# Altium PCB LimeSDR-Micro_M.2_2280_1v1.PcbDoc (part 5 of 9)
Units mm, origin at the board's own origin, x right, y up, seen from the top; angles counter-clockwise.
Board outline 80 x 22 mm, 8 copper layers (Top, L2, L3, L4, L5, L6, L7, Bottom), stack 0.775 mm thick; 678 components, 389 nets, 2376 pads, 871 vias.
Unrouted connection lines stored in the file: 254.
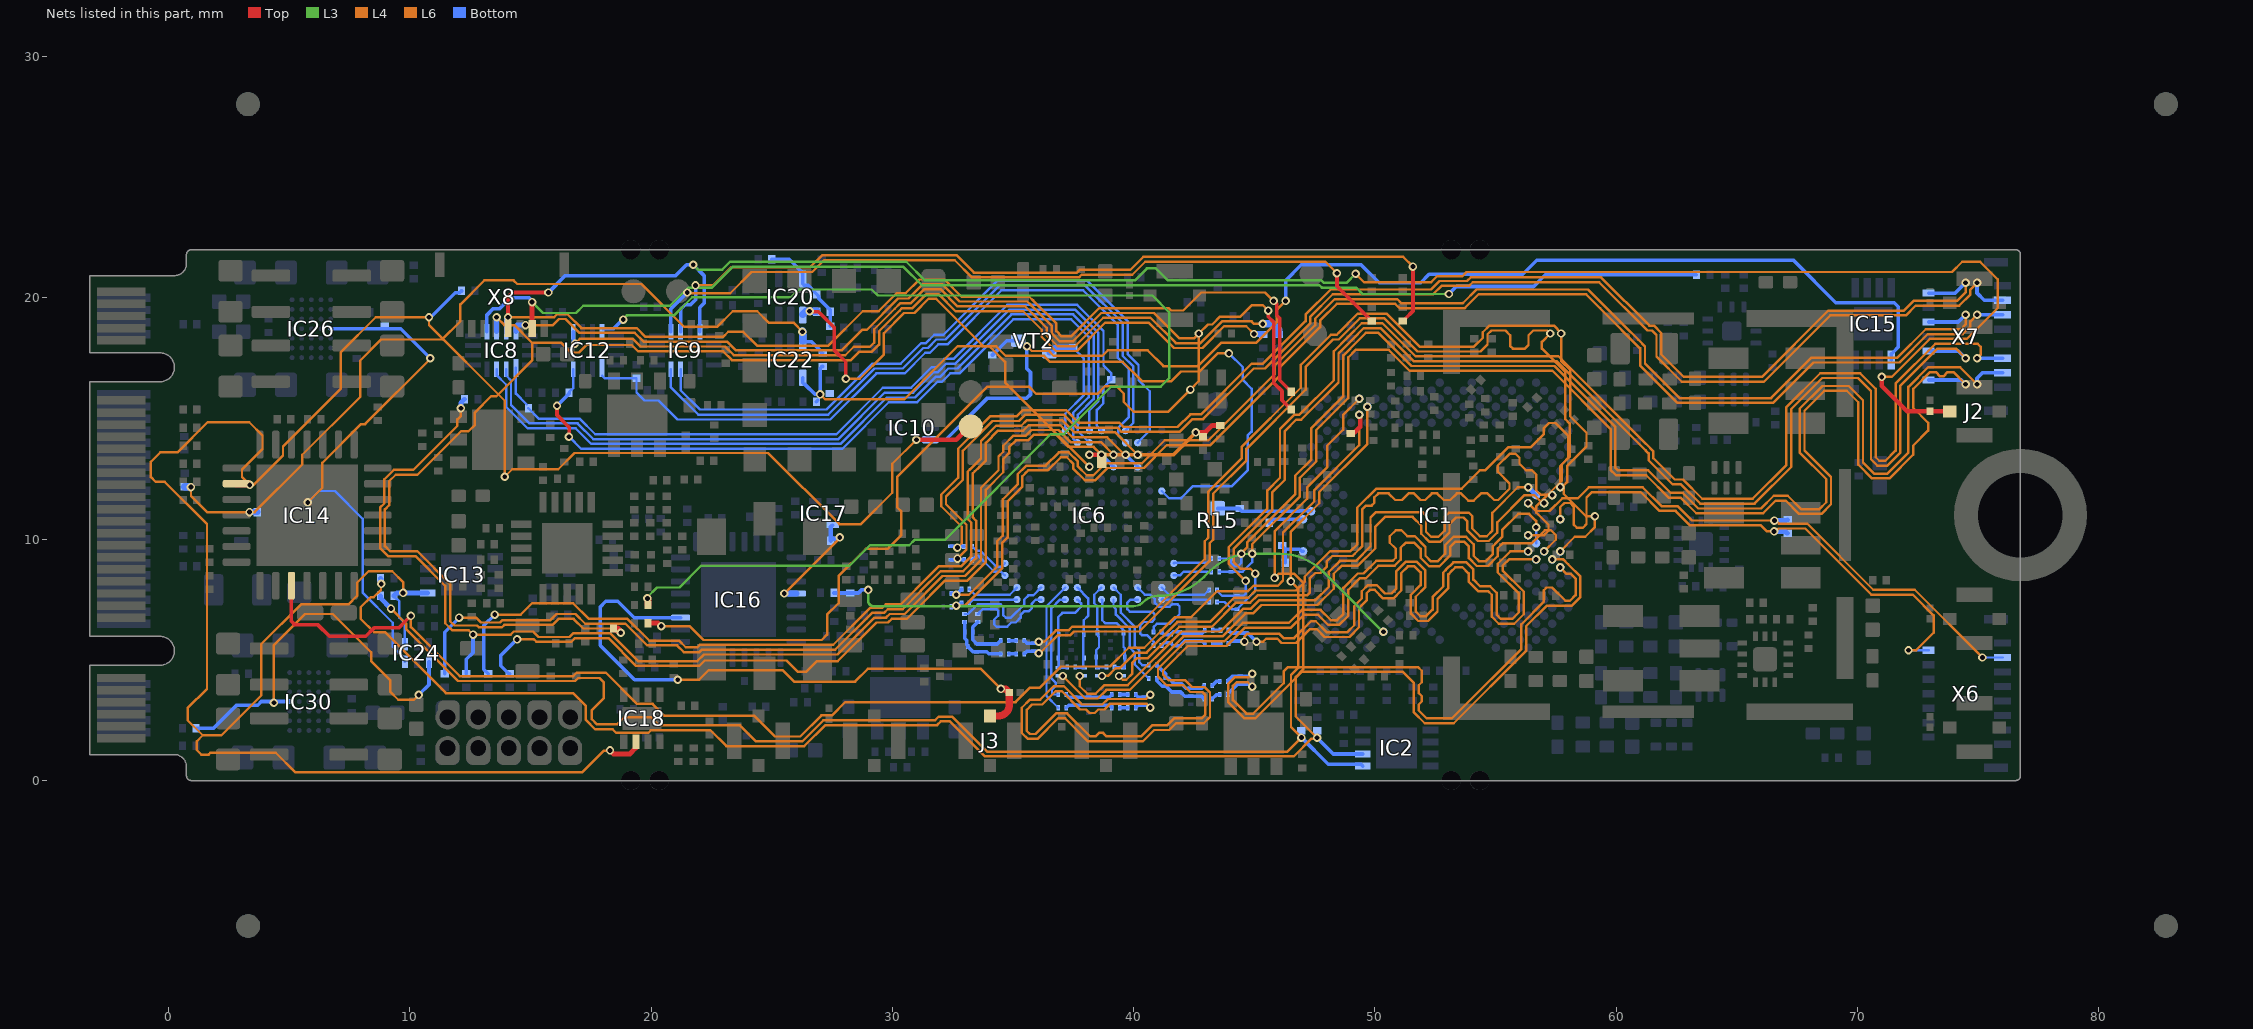
[diagram p11: the nets of this part, all layers, seen from the top]

## Via types
v1: diameter 0.35, hole 0.2, Top to Bottom, tented both sides, 717 vias
v2: diameter 0.35, hole 0.2, L5 to Bottom, tented both sides, 112 vias
v3: diameter 0.4, hole 0.2, Top to Bottom, tented both sides, 30 vias
v4: diameter 0.5, hole 0.2, Top to Bottom, tented both sides, 12 vias

## Nets (pads, with @x,y where several pads share a name; then routed paths per layer and width w, separated by ;. In a path a pad name is that pad's centre, name@x,y a point inside that pad or via, vN(x,y) a via of type N, cw(c..) or ccw(c..) an arc to the next point about the centre after c; other vN are vias at no path point) (continued)
LA_I2C_SDA: IC10.6 IC13.5 IC14.9 IC15.5 IC18.6 IC24.4 R30.1 R120.2 R226.2 TP5.1 VT2.D | length 155.6
  Top w0.2: v1(18.3,1.25) 18.45,1.1 19.125,1.1 19.375,1.35 IC18.6@19.375,1.6 ; v1(31,14.125) 32.65,14.125 TP5.1@33.25,14.725
  Top w0.3: IC14.9@2.825,12.3 3.311,12.3 3.361,12.25 v1(3.375,12.25)
  L4 w0.1: v1(10.8,19.2) 10.8,18.875 13.938,15.737 v1(13.938,12.588)
  L6 w0.1: v2(9.725,7.775) 9.725,8.225 9.275,8.675 8.3,8.675 7.825,8.2 7.825,7.665 7.462,7.302 5.499,7.302 3.85,5.653 3.85,3.525 2.2,1.875 1.425,1.875 ; v1(10.8,19.2) 8.592,19.2 7.15,17.758 7.15,16.249 4.75,13.849 4.75,13.475 3.525,12.25 v1(3.375,12.25) 3.05,12.575 3.05,12.885 3.9,13.735 3.9,14.3 3.35,14.85 1.625,14.85 0.375,13.6 -0.335,13.6 -0.725,13.21 -0.725,12.575 -0.53,12.38 -0.155,12.38 1.6,10.625 1.6,3.8 0.8,3 0.8,2.5 1.425,1.875 ; v1(13.938,12.588) 14.25,12.9 16.158,12.9 16.833,13.575 24.855,13.575 27.805,10.625 28.7,10.625 30,11.925 30,13.125 v1(31,14.125) ; v1(18.3,1.25) 18.291,1.241 18.049,1.241 17.158,0.35 5.25,0.35 4.45,1.15 1.74,1.15 1.665,1.075 1.365,1.075 1.175,1.265 1.175,1.625 1.425,1.875 ; v1(35.575,18) 35.775,17.8 36.492,17.8 36.692,17.6 38.701,17.6 38.926,17.825 40.585,17.825 41.235,17.175 42.667,17.175 43.642,18.15 45.092,18.15 45.925,18.983 45.925,19.5 v1(46.3,19.875)
  Bottom w0.1: R30.1@9.355,7.65 9.355,7.625 9.455,7.525 9.48,7.525 9.575,7.43 9.575,6.75 9.8,6.525 IC24.4@9.8,5.65
  Bottom w0.15: v1(10.8,19.2) 10.875,19.2 11.888,20.213 12.07,20.213 12.145,20.288 R226.2@12.145,20.3 ; v1(31,14.125) IC10.6@31.575,14.125 32.22,14.125 33.945,15.85 35.575,15.85 35.725,16 35.725,16.925 35.575,17.075 35.575,17.871 VT2.D@35.221,18.225 34.74,18.225 R120.2@34.15,17.635 ; v1(46.3,19.875) 46.3,20.725 46.95,21.375 49.425,21.375 50.175,20.625 51.894,20.625 52.244,20.975 56.125,20.975 56.705,21.555 67.345,21.555 69.1,19.8 71.522,19.8 71.688,19.635 71.688,17.963 71.475,17.75 71.4,17.675 IC15.5@71.4,17.425
  Bottom w0.2: R30.1@9.355,7.65 9.355,7.675 9.405,7.725 9.43,7.725 9.48,7.775 v2(9.725,7.775) IC13.5@10.75,7.775
LA_I2C_SDA0: IC24.3 IC26.D5 R206.2 | length 22.4
  L6 w0.1: v2(5.775,11.525) 6.375,12.125 6.375,13.165 7.98,14.77 8.155,14.77 10.85,17.465 v2(10.85,17.5)
  Bottom w0.1: v2(5.775,11.525) 5.78,11.525 6.255,12 6.9,12 8.05,10.85 8.05,8.068 8.05,7.79 9.3,6.54 9.3,5.55 9.8,5.05 IC24.3@9.8,4.925
  Bottom w0.15: IC26.D5@6.725,18.725 9.625,18.725 v2(10.85,17.5)
LA_I2C_SDA1: IC24.1 IC30.D5 R221.2 | length 16.8
  L6 w0.1: v2(4.375,3.225) 4.375,5.612 5.665,6.902 6.813,6.902 8.4,5.315 8.4,4.95 9.2,4.15 9.2,3.675 9.525,3.35 10.175,3.35 v2(10.375,3.55)
  Bottom w0.15: R221.2@1.15,2.175 1.875,2.175 2.825,3.125 3.7,3.125 3.85,3.275 IC30.D5@5.025,3.275 ; v2(10.375,3.55) 10.8,3.975 IC24.1@10.8,4.925
LA_I2C_SDA_LS: IC6.R6 R119.2 VT2.S | length 5
  Bottom w0.1: IC6.R6@37.167,14.5 37.167,15.199 37.941,15.974 37.941,16.861 37.941,17.486 R119.2@37.489,17.938
  Bottom w0.25: VT2.S@36.511,17.735 36.561,17.735 36.763,17.938 R119.2@37.489,17.938
LA_LED1: IC9.9 R145.2 | length 32.8
  Top w0.15: v1(48.425,21.025) 48.425,20.483 49.775,19.133 49.775,19.12 49.85,19.045 R145.2@49.875,19.045
  L6 w0.1: v2(21.5,20.225) 21.532,20.193 23.285,20.193 24.167,21.075 26.683,21.075 27.17,21.562 32.588,21.562 33.3,20.85 37.733,20.85 37.845,20.963 39.945,20.963 40.483,21.5 47.95,21.5 v1(48.425,21.025)
  Bottom w0.15: IC9.9@20.825,18.6 20.825,19.55 v2(21.5,20.225)
LA_LED1_LS: IC6.R11 IC9.4 | length 27.6
  Bottom w0.1: IC9.4@20.825,17.05 20.825,16.292 21.955,15.162 27.345,15.162 29.258,17.075 30.431,17.075 31.281,17.925 31.473,17.925 31.823,18.275 32.198,18.275 34.438,20.515 37.989,20.515 39.55,18.954 39.55,17.592 39.991,17.151 39.991,14.824 IC6.R11@39.667,14.5
LA_LED2: IC9.10 R148.2 | length 35.6
  Top w0.15: R148.2@51.15,19.045 51.175,19.045 51.25,19.12 51.25,19.133 51.575,19.458 v1@51.575,21.2
  L6 w0.1: v2(21.844,20.518) 22.568,20.518 23.325,21.275 26.6,21.275 27.1,21.775 32.658,21.775 33.383,21.05 37.65,21.05 37.763,21.163 39.863,21.163 40.4,21.7 51.175,21.7 v1(51.575,21.3)
  Bottom w0.15: IC9.10@21.225,18.6 21.225,19.525 21.415,19.715 21.64,19.715 21.775,19.85 21.775,19.854 21.85,19.929 v2@21.85,20.512
LA_LED2_LS: IC6.P12 IC9.3 | length 28.3
  Bottom w0.1: IC9.3@21.225,17.05 21.225,16.175 22.025,15.375 27.275,15.375 29.175,17.275 30.348,17.275 31.198,18.125 31.39,18.125 31.74,18.475 32.115,18.475 34.355,20.715 38.072,20.715 39.75,19.037 39.75,17.675 40.2,17.225 40.2,16.6 40.666,16.134 40.666,14.499 IC6.P12@40.167,14
LA_PA_EN: ESD6.1 IC9.12 J2.1 X8.4 | length 79.4
  Top w0.15: X8.4@14.075,18.725 14.075,20.05 14.25,20.225 v1(15.75,20.225)
  Top w0.18: v1(71,16.725) 71,16.35 72.05,15.3 ESD6.1@73,15.3 J2.1@73.825,15.3
  L3 w0.1: v1(21.75,21.375) 21.95,21.175 22.95,21.175 23.275,21.5 30.575,21.5 31.35,20.725 40.05,20.725 40.55,21.225 40.925,21.225 41.425,20.725 47.783,20.725 47.883,20.625 48.825,20.625 v1(49.2,21)
  L6 w0.1: v1(49.2,21) 49.55,20.65 52.325,20.65 52.575,20.9 53.625,20.9 53.8,21.075 73.915,21.075 74.34,21.5 75.075,21.5 75.808,20.767 75.808,19.583 74.525,18.3 72.991,18.3 71.416,16.725 v1(71,16.725)
  Bottom w0.15: v1(15.75,20.225) 16.45,20.925 21.025,20.925 21.475,21.375 v1(21.75,21.375) 22.2,20.925 22.2,19.775 22.025,19.6 IC9.12@22.025,18.6
LA_PPS_IN: IC20.3 R173.2 R176.2 R179.2 R182.1 | length 4.2
  Bottom w0.15: R173.2@25.005,21.6 25.725,21.6 26.289,21.036 IC20.3@26.289,20.79 26.289,20.591 26.364,20.516 26.504,20.516 R176.2@26.87,20.15 26.945,20.075 26.945,19.985 R182.1@27.43,19.5 ; R179.2@27.43,18.825 R182.1@27.43,19.425
LA_PPS_IN_LS: IC6.K14 IC20.4 R182.2 | length 33.4
  Top w0.15: v1@26.572,19.425 26.944,19.425 27.6,18.769 27.6,17.825 28.075,17.35 v1(28.075,16.65)
  L6 w0.1: v1(28.075,16.65) 28.65,16.65 29.65,17.65 29.65,18.534 30.491,19.375 30.915,19.375 31.503,19.962 31.813,19.962 33.775,18 34.3,18 34.7,17.6 36.291,17.6 36.541,17.35 39.55,17.35 40.35,16.55 41.567,16.55 41.967,16.95 42.725,16.95 43.475,17.7 v1(43.95,17.7)
  Bottom w0.1: IC6.K14@41.167,12 41.467,11.7 41.966,11.7 42.466,12.2 44.075,12.2 44.725,12.85 44.725,14.292 44.891,14.458 44.891,16.233 44.525,16.599 44.525,17.125 v1(43.95,17.7)
  Bottom w0.3: IC20.4@26.289,19.315 26.424,19.45 R182.2@26.87,19.45
  other v1: 26.572,19.45
LA_PPS_OUT: IC22.3 R189.2 R192.2 R193.1 | length 35
  L6 w0.1: v2(0.937,12.158) 0.937,11.788 1.6,11.125 v2(3.362,11.125) 3.575,11.125 5.55,13.1 5.55,13.5 7.95,15.9 7.95,17.408 8.817,18.275 11.342,18.275 12.1,19.033 12.1,19.734 13.091,20.725 14.309,20.725 14.459,20.575 19.6,20.575 21.375,18.8 22.74,18.8 23.39,19.45 24.4,19.45 24.875,18.975 25.9,18.975 v1(26.275,18.6)
  Bottom w0.15: IC22.3@26.289,18.19 26.644,18.19 27.014,17.82 27.014,17.795 27.089,17.72 R193.1@27.114,17.72
  Bottom w0.25: v2(3.362,11.125) R192.2@3.688,11.125
  Bottom w0.3: R189.2@0.675,12.17 0.911,12.17 0.923,12.158 v2(0.937,12.158) ; v1@26.275,18.636 v1@26.275,18.65 ; IC22.3@26.289,18.19 v1@26.289,18.622
LA_PPS_OUT_LS: IC6.M8 IC22.4 R126.2 R135.1 R193.2 | length 17.1
  L4 w0.1: v1(27.01,16.004) 27.214,15.8 30.5,15.8 32.7,18 34.025,18 34.675,17.35 34.675,16.492 v1(38.167,13)
  Bottom w0.15: IC22.4@26.289,16.69 26.289,16.49 26.364,16.415 26.385,16.415 26.796,16.004 v1(27.01,16.004) 27.01,17.056 27.014,17.06 27.014,17.085 27.089,17.16 R193.2@27.114,17.16 ; R135.1@26.855,15.7 R135.1@26.91,15.755
LA_RO0_EXT_I_N: R97.2 R106.1 X7.3 | length 57.1
  L6 w0.1: v2(32.7,9.2) 33.075,9.575 33.075,10.6 32.225,11.45 32.225,11.767 32.925,12.467 32.925,12.95 32.925,13.667 34.158,14.9 35.25,14.9 35.5,15.15 37.108,15.15 37.633,14.625 39.325,14.625 39.5,14.45 41.908,14.45 42.433,14.975 42.88,14.975 44.98,17.075 45.442,17.075 47.325,18.958 47.325,19.224 48.251,20.15 52.408,20.15 52.758,20.5 53.9,20.5 54.05,20.65 59.291,20.65 61.291,18.65 61.475,18.65 61.666,18.46 61.666,17.575 62.716,16.525 66.116,16.525 68.866,19.275 72,19.275 72.4,19.675 74.208,19.675 74.675,20.142 74.675,20.35 v2(74.95,20.625)
  Bottom w0.15: R106.1@32.426,9.15 R97.2@32.975,9.15 ; v2(74.95,20.625) 74.95,20.2 75.25,19.9 X7.3@76.008,19.9
LA_RO0_EXT_I_P: R96.2 R105.1 X7.2 | length 56.6
  L6 w0.1: v2(32.695,9.655) 32.875,9.835 32.875,10.517 32.025,11.367 32.025,11.85 32.725,12.55 32.725,13.75 34.075,15.1 35.167,15.1 35.417,15.35 37.191,15.35 37.716,14.825 39.407,14.825 39.582,14.65 41.825,14.65 42.35,15.175 42.797,15.175 44.897,17.275 45.359,17.275 47.125,19.041 47.125,19.306 48.169,20.35 52.325,20.35 52.675,20.7 53.817,20.7 53.967,20.85 59.374,20.85 61.374,18.85 61.558,18.85 61.866,18.542 61.866,17.658 62.799,16.725 66.033,16.725 68.783,19.475 71.917,19.475 72.317,19.875 74.125,19.875 74.475,20.225 v2(74.475,20.625)
  Bottom w0.15: R105.1@32.421,9.705 R96.2@32.97,9.705 ; X7.2@72.943,20.2 74.05,20.2 v2(74.475,20.625)
LA_RO0_EXT_Q_N: R99.2 R108.1 X7.6 | length 56.3
  L6 w0.1: v2(32.651,7.7) 33.175,7.7 34.35,8.875 34.35,9.925 34.575,10.15 34.575,11.651 35.191,12.267 35.191,12.692 35.498,13 35.5,13 35.55,13.05 36.35,13.05 36.9,13.6 37.107,13.6 37.309,13.6 37.692,13.217 37.692,13.015 38.057,12.65 38.333,12.65 38.833,13.15 40.342,13.15 41.292,14.1 43.1,14.1 45.85,16.85 45.85,17.2 47.525,18.875 47.525,19.141 48.334,19.95 50.925,19.95 51.1,19.775 53.634,19.775 53.659,19.8 54.21,20.35 58.831,20.35 59.534,19.648 60.366,18.816 60.916,18.266 61.191,17.991 61.191,17.283 62.624,15.85 66.417,15.85 68.092,17.525 71.65,17.525 72.825,18.7 74.275,18.7 74.475,18.9 v2(74.475,19.3)
  Bottom w0.15: R108.1@32.436,7.75 32.696,7.75 32.839,7.893 32.866,7.893 R99.2@32.866,7.925 ; X7.6@72.943,19 74.175,19 v2(74.475,19.3)
LA_RO0_EXT_Q_P: R98.2 R107.1 X7.5 | length 56.3
  L6 w0.1: v2(32.651,7.25) 33.008,7.25 34.55,8.792 34.55,9.842 34.775,10.067 34.775,11.568 35.391,12.184 35.391,12.61 35.581,12.8 35.583,12.8 35.633,12.85 36.433,12.85 36.983,13.4 37.226,13.4 37.492,13.135 37.492,12.933 37.974,12.45 38.016,12.45 38.416,12.45 38.916,12.95 40.425,12.95 41.375,13.9 43.183,13.9 46.05,16.767 46.05,17.117 47.725,18.792 47.725,19.058 48.417,19.75 50.842,19.75 51.017,19.575 53.717,19.575 53.742,19.6 54.292,20.15 58.749,20.15 59.334,19.565 59.451,19.448 60.991,17.908 60.991,17.2 62.541,15.65 66.5,15.65 68.175,17.325 71.733,17.325 72.908,18.5 74.358,18.5 74.675,18.817 74.675,19.025 v2(74.95,19.3)
  Bottom w0.15: R107.1@32.436,7.2 32.655,7.2 32.772,7.318 32.866,7.318 R98.2@32.866,7.35 ; v2(74.95,19.3) X7.5@76.008,19.3
LA_RO0_I_N: IC6.C1 R97.1 | length 1.8
  Bottom w0.1: R97.1@33.305,9.15 33.48,9.325 33.55,9.325 34.225,8.65 34.508,8.65 34.658,8.5 IC6.C1@34.667,8.5
LA_RO0_I_P: IC6.D1 R96.1 | length 1.8
  Bottom w0.1: R96.1@33.3,9.705 33.48,9.525 33.65,9.525 34.325,8.85 34.508,8.85 34.658,9 IC6.D1@34.667,9
LA_RO0_Q_N: IC6.B2 R99.1 | length 2.2
  Bottom w0.1: R99.1@33.196,7.925 33.421,7.7 34.867,7.7 IC6.B2@35.167,8
LA_RO0_Q_P: IC6.A2 R98.1 | length 2
  Bottom w0.1: R98.1@33.196,7.35 33.346,7.5 IC6.A2@35.167,7.5
LA_RO1_EXT_I_N: R101.2 R110.1 X7.11 | length 56.1
  L6 w0.1: v2(44.641,8.275) 43.941,8.975 43.941,9.675 45.541,11.275 45.541,12.025 46.066,12.55 46.066,14.567 46.649,15.15 46.858,15.15 48.291,16.583 48.291,17.784 48.886,18.379 ; 48.886,18.38 49.455,18.95 50.314,18.95 51.684,17.58 57.601,17.58 61.106,14.075 61.108,14.075 61.416,13.767 61.416,13.765 61.541,13.64 61.541,13.358 62.424,12.475 62.766,12.475 63.566,11.675 65.65,11.675 67.05,13.075 67.05,15.475 68.455,16.88 70.103,16.88 70.755,16.228 70.755,13.395 70.9,13.25 71.15,13.25 71.575,13.675 71.575,16.2 71.575,16.45 73.225,18.1 73.675,18.1 74.975,18.1 75.1,17.975 75.1,17.65 v2(74.95,17.5)
  Bottom w0.1: R101.2@43.456,7.9 43.456,7.868 43.673,7.65 R110.1@44.281,7.65 44.548,7.65 44.641,7.743 v2(44.641,8.275)
  Bottom w0.15: v2(74.95,17.5) X7.11@76.008,17.5
LA_RO1_EXT_I_P: R100.2 R109.1 X7.10 | length 56.2
  L6 w0.1: v2(45.041,8.575) 44.841,8.775 44.424,8.775 44.141,9.058 44.141,9.592 45.741,11.192 45.741,11.467 45.741,11.942 46.266,12.467 46.266,14.484 46.731,14.95 46.941,14.95 48.491,16.5 48.491,17.701 49.086,18.296 ; 49.086,18.297 49.538,18.75 50.231,18.75 51.601,17.38 57.518,17.38 61.023,13.875 61.025,13.875 61.216,13.685 61.216,13.683 61.341,13.558 61.341,13.275 62.341,12.275 62.683,12.275 63.483,11.475 65.733,11.475 67.25,12.992 67.25,15.392 68.538,16.68 70.02,16.68 70.555,16.145 70.555,13.312 70.817,13.05 71.233,13.05 71.775,13.592 71.775,16.367 73.308,17.9 74.075,17.9 v2(74.475,17.5)
  Bottom w0.1: R100.2@43.456,7.4 43.766,7.4 44.066,7.1 R109.1@44.281,7.1 45.041,7.86 v2(45.041,8.575)
  Bottom w0.15: X7.10@72.943,17.8 74.175,17.8 v2(74.475,17.5)
LA_RO1_EXT_Q_N: R103.2 R112.1 X7.14 | length 56.5
  L6 w0.1: v2(44.916,9.4) 44.916,9.8 46.891,11.775 46.891,12.55 47.566,13.225 47.566,14.525 48.891,15.85 48.891,17.536 49.2,17.845 50.571,17.845 51.436,16.98 57.353,16.98 59.766,14.567 59.766,12.875 59.991,12.65 61.241,12.65 62.166,11.725 62.667,11.725 63.317,11.075 66.083,11.075 66.608,11.6 67.025,11.6 67.575,11.05 68.5,11.05 68.9,11.45 68.9,12.575 67.8,13.675 67.8,15.325 68.625,16.15 69.55,16.15 70.025,15.675 70.025,13.092 70.597,12.52 71.32,12.52 72.305,13.505 72.305,13.881 72.925,14.5 72.925,14.827 72.305,15.447 72.305,16.23 73,16.925 73.244,16.925 73.419,16.75 73.556,16.75 73.731,16.925 73.975,16.925 v2(74.475,16.425)
  Bottom w0.1: R103.2@43.541,8.65 R112.1@44.041,8.65 44.516,8.65 44.916,9.05 v2(44.916,9.4)
  Bottom w0.15: X7.14@72.943,16.6 74.3,16.6 v2(74.475,16.425)
LA_RO1_EXT_Q_P: R102.2 R111.1 X7.13 | length 56.7
  L6 w0.1: v2@44.453,9.412 44.716,9.675 44.716,9.883 46.691,11.858 46.691,12.633 47.366,13.308 47.366,14.608 48.691,15.933 48.691,17.619 49.286,18.214 49.621,18.55 50.149,18.55 51.519,17.18 57.435,17.18 59.966,14.65 59.966,12.958 60.074,12.85 61.324,12.85 62.249,11.925 62.75,11.925 63.4,11.275 66,11.275 66.525,11.8 67.108,11.8 67.658,11.25 68.417,11.25 68.7,11.533 68.7,12.492 67.6,13.592 67.6,15.408 68.542,16.35 69.633,16.35 70.225,15.758 70.225,15.433 70.225,13.175 70.68,12.72 71.237,12.72 72.105,13.588 72.105,15.738 72.105,16.313 72.917,17.125 73.492,17.125 74.25,17.125 v2(74.95,16.425)
  Bottom w0.1: R102.2@43.541,9.2 R111.1@44.041,9.2 44.041,9.034 44.199,8.875 44.316,8.875 44.466,9.025 v2(44.466,9.4)
  Bottom w0.15: v2(74.95,16.425) 74.95,16.675 75.175,16.9 X7.13@76.008,16.9
LA_RO1_I_N: IC6.B14 R101.1 | length 2.2
  Bottom w0.1: IC6.B14@41.167,8 41.467,7.7 42.926,7.7 R101.1@43.126,7.9
LA_RO1_I_P: IC6.A14 R100.1 | length 2
  Bottom w0.1: IC6.A14@41.167,7.5 41.205,7.538 41.243,7.5 43.026,7.5 R100.1@43.126,7.4
LA_RO1_Q_N: IC6.C15 R103.1 | length 1.6
  Bottom w0.1: IC6.C15@41.667,8.5 41.916,8.5 42.066,8.65 R103.1@43.211,8.65 43.198,8.662 R103.1@43.186,8.675
LA_RO1_Q_P: IC6.D15 R102.1 | length 1.6
  Bottom w0.1: IC6.D15@41.667,9 41.692,9.025 43.036,9.025 R102.1@43.211,9.2
LA_RX0_I_N: IC6.A4 R28.1 | length 4.2
  Bottom w0.1: R28.1@33.541,6.9 33.573,6.9 33.598,6.925 33.598,6.958 33.741,7.1 34.32,7.1 34.391,7.029 34.391,6.837 34.216,6.662 34.216,6.475 34.316,6.375 34.756,6.375 34.931,6.55 35.116,6.55 35.316,6.75 35.316,6.866 35.473,7.023 35.664,7.023 35.783,7.142 35.783,7.333 35.946,7.496 36.163,7.496 IC6.A4@36.167,7.5
LA_RX0_I_P: IC6.B4 R34.1 | length 4.4
  Bottom w0.1: R34.1@32.991,6.9 33.14,6.9 33.54,7.3 34.491,7.3 34.591,7.2 34.591,6.858 34.699,6.75 34.917,6.75 35.467,7.3 35.467,7.501 35.641,7.675 35.842,7.675 IC6.B4@36.167,8
LA_RX0_Q_N: IC6.B6 R37.1 | length 5.5
  Bottom w0.1: R37.1@36.876,3.015 36.391,3.5 36.391,7.224 IC6.B6@37.167,8
LA_RX0_Q_P: IC6.A6 R42.1 | length 4.7
  Bottom w0.1: R42.1@36.876,3.565 36.676,3.565 36.616,3.625 36.616,3.775 36.766,3.925 36.766,4.06 36.591,4.235 36.591,7.141 36.946,7.496 37.163,7.496 IC6.A6@37.167,7.5
LA_RX1_I_N: IC6.B10 R44.1 | length 4
  Bottom w0.1: IC6.B10@39.167,8 39.466,7.701 39.466,7.625 39.467,7.624 39.467,7.376 39.466,7.375 39.466,6.958 40.041,6.383 40.041,5.583 40.241,5.383 40.241,4.903 40.359,4.785 R44.1@40.626,4.785
LA_RX1_I_P: IC6.A10 R49.1 | length 3.9
  Bottom w0.1: IC6.A10@39.167,7.5 39.167,7.199 39.266,7.1 39.266,6.875 39.841,6.3 39.841,5.5 40.041,5.3 40.041,4.82 R49.1@40.626,4.235
LA_RX1_Q_N: IC6.A12 R51.1 | length 4
  Bottom w0.1: IC6.A12@40.167,7.5 39.866,7.5 39.741,7.375 39.741,7.1 39.841,7 40.766,7 40.866,6.9 40.866,6.683 40.754,6.571 40.412,6.571 40.266,6.425 40.266,6.1 40.341,6.025 40.55,6.025 40.826,5.75 R51.1@40.826,5.675
LA_RX1_Q_P: IC6.B12 R58.1 | length 4.1
  Bottom w0.1: IC6.B12@40.167,8 40.467,7.7 40.7,7.7 40.867,7.533 40.867,7.376 41.042,7.2 41.491,7.2 41.591,7.3 41.825,7.3 41.9,7.225 41.9,6.894 41.506,6.5 40.966,6.5 40.826,6.36 R58.1@40.826,6.15
LA_SPI_ADF_SS: IC12.12 R191.2 | length 53
  Top w0.3: v1@19.875,7.55 19.875,7.349 19.88,7.344 R191.2@19.88,7.275
  L3 w0.1: v1@18.85,19.125 19,19.275 20.958,19.275 21.708,20.025 25.808,20.025 26.133,20.35 29.15,20.35 29.4,20.1 40.775,20.1 41.475,19.4 41.475,16.675 41.125,16.325 39.075,16.325 37.1,14.35 36.557,14.35 32.182,9.975 30.925,9.975 30.7,9.75 29.075,9.75 28.225,8.9 22.075,8.9 21.175,8 20.25,8 v1@19.825,7.575
  Bottom w0.15: IC12.12@18,18.725 18.45,18.725 v1@18.85,19.125
  other v1: 19.85,7.55 18.85,19.1
LA_SPI_ADF_SS_LS: IC6.P11 IC12.1 R117.2 | length 30.6
  Bottom w0.1: IC12.1@17.975,16.775 18.08,16.67 R117.2@19.4,16.67 19.4,16.083 19.733,15.75 20.316,15.75 21.104,14.962 27.428,14.962 29.341,16.875 30.514,16.875 31.364,17.725 31.556,17.725 31.906,18.075 32.281,18.075 34.521,20.315 37.906,20.315 39.35,18.871 39.35,17.509 39.791,17.069 39.791,15.048 39.367,14.624 39.367,14.3 IC6.P11@39.667,14
LA_SPI_LMS_SS: IC12.9 R23.2 | length 34.3
  L6 w0.1: v2(16.85,18.1) 17.05,18.3 19.25,18.3 19.563,17.987 23.071,17.987 23.433,17.625 28.05,17.625 28.4,17.975 29.075,17.975 29.25,18.15 29.25,18.7 30.1,19.55 30.325,19.775 30.75,19.775 31.337,20.362 31.99,20.362 32.703,19.65 35.508,19.65 36.033,19.125 36.393,18.764 36.393,18.464 36.858,18 37.567,18 38.742,19.175 40.7,19.175 41.75,18.125 42.767,18.125 43.667,19.025 44.89,19.025 44.99,18.925 v1(45.35,18.925)
  Bottom w0.15: IC12.9@16.775,18.6 16.775,18.175 v2(16.85,18.1)
  Bottom w0.3: v1(45.35,18.925) 45.775,18.925 46.016,18.684 R23.2@46.016,18.48
LA_SPI_LMS_SS_LS: IC6.P7 IC12.4 R118.2 | length 32.3
  Top w0.15: v1(16.105,15.53) 16.105,15.145 16.605,14.645 16.605,14.255 v1(16.6,14.25)
  Bottom w0.1: v1(16.6,14.25) 17.1,13.75 27.93,13.75 29.855,15.675 31.028,15.675 31.878,16.525 32.053,16.525 32.403,16.875 32.778,16.875 35.018,19.115 37.409,19.115 38.141,18.383 38.141,16.944 38.141,15.891 37.491,15.241 37.491,14.176 IC6.P7@37.667,14 ; R118.2@16.605,16.075 16.605,16.1 16.705,16.2 16.716,16.2 16.775,16.259 IC12.4@16.775,17.05
  Bottom w0.15: v1(16.105,15.53) 16.605,16.03 R118.2@16.605,16.075
LA_SPI_MISO: IC8.11 R22.2 | length 40.5
  Top w0.15: v1(45.8,19.875) 45.925,19.75 45.925,19.275 46.05,19.15 46.05,16.592 R22.2@46.536,16.107
  L6 w0.1: v2(14.075,19.2) 15.983,19.2 16.108,19.325 16.542,19.325 17.117,18.75 19.408,18.75 19.771,18.387 22.987,18.387 23.2,18.6 23.817,18.6 24.392,18.025 27.35,18.025 28.775,19.45 29.434,19.45 30.184,20.2 30.56,20.2 31.122,20.762 32.156,20.762 32.869,20.05 35.674,20.05 35.824,19.9 35.833,19.9 36.8,18.933 36.8,18.624 37.017,18.407 37.408,18.407 38.576,19.575 41.449,19.575 41.545,19.478 42.053,19.478 42.8,20.225 45.45,20.225 v1(45.8,19.875)
  Bottom w0.2: IC8.11@14,18.6 14,19.125 v2(14.075,19.2)
LA_SPI_MISO_LS: IC6.R8 IC8.2 | length 33.3
  Bottom w0.1: IC8.2@14,17.05 14,16.775 14.2,16.575 14.2,15.567 14.967,14.8 16.958,14.8 17.608,14.15 27.764,14.15 29.689,16.075 30.863,16.075 31.713,16.925 31.887,16.925 32.237,17.275 32.612,17.275 34.852,19.515 37.575,19.515 38.541,18.549 38.541,17.11 38.541,15.725 38.167,15.351 IC6.R8@38.167,14.5